# Altium PCB master.PcbDoc (part 9 of 10) (continued)
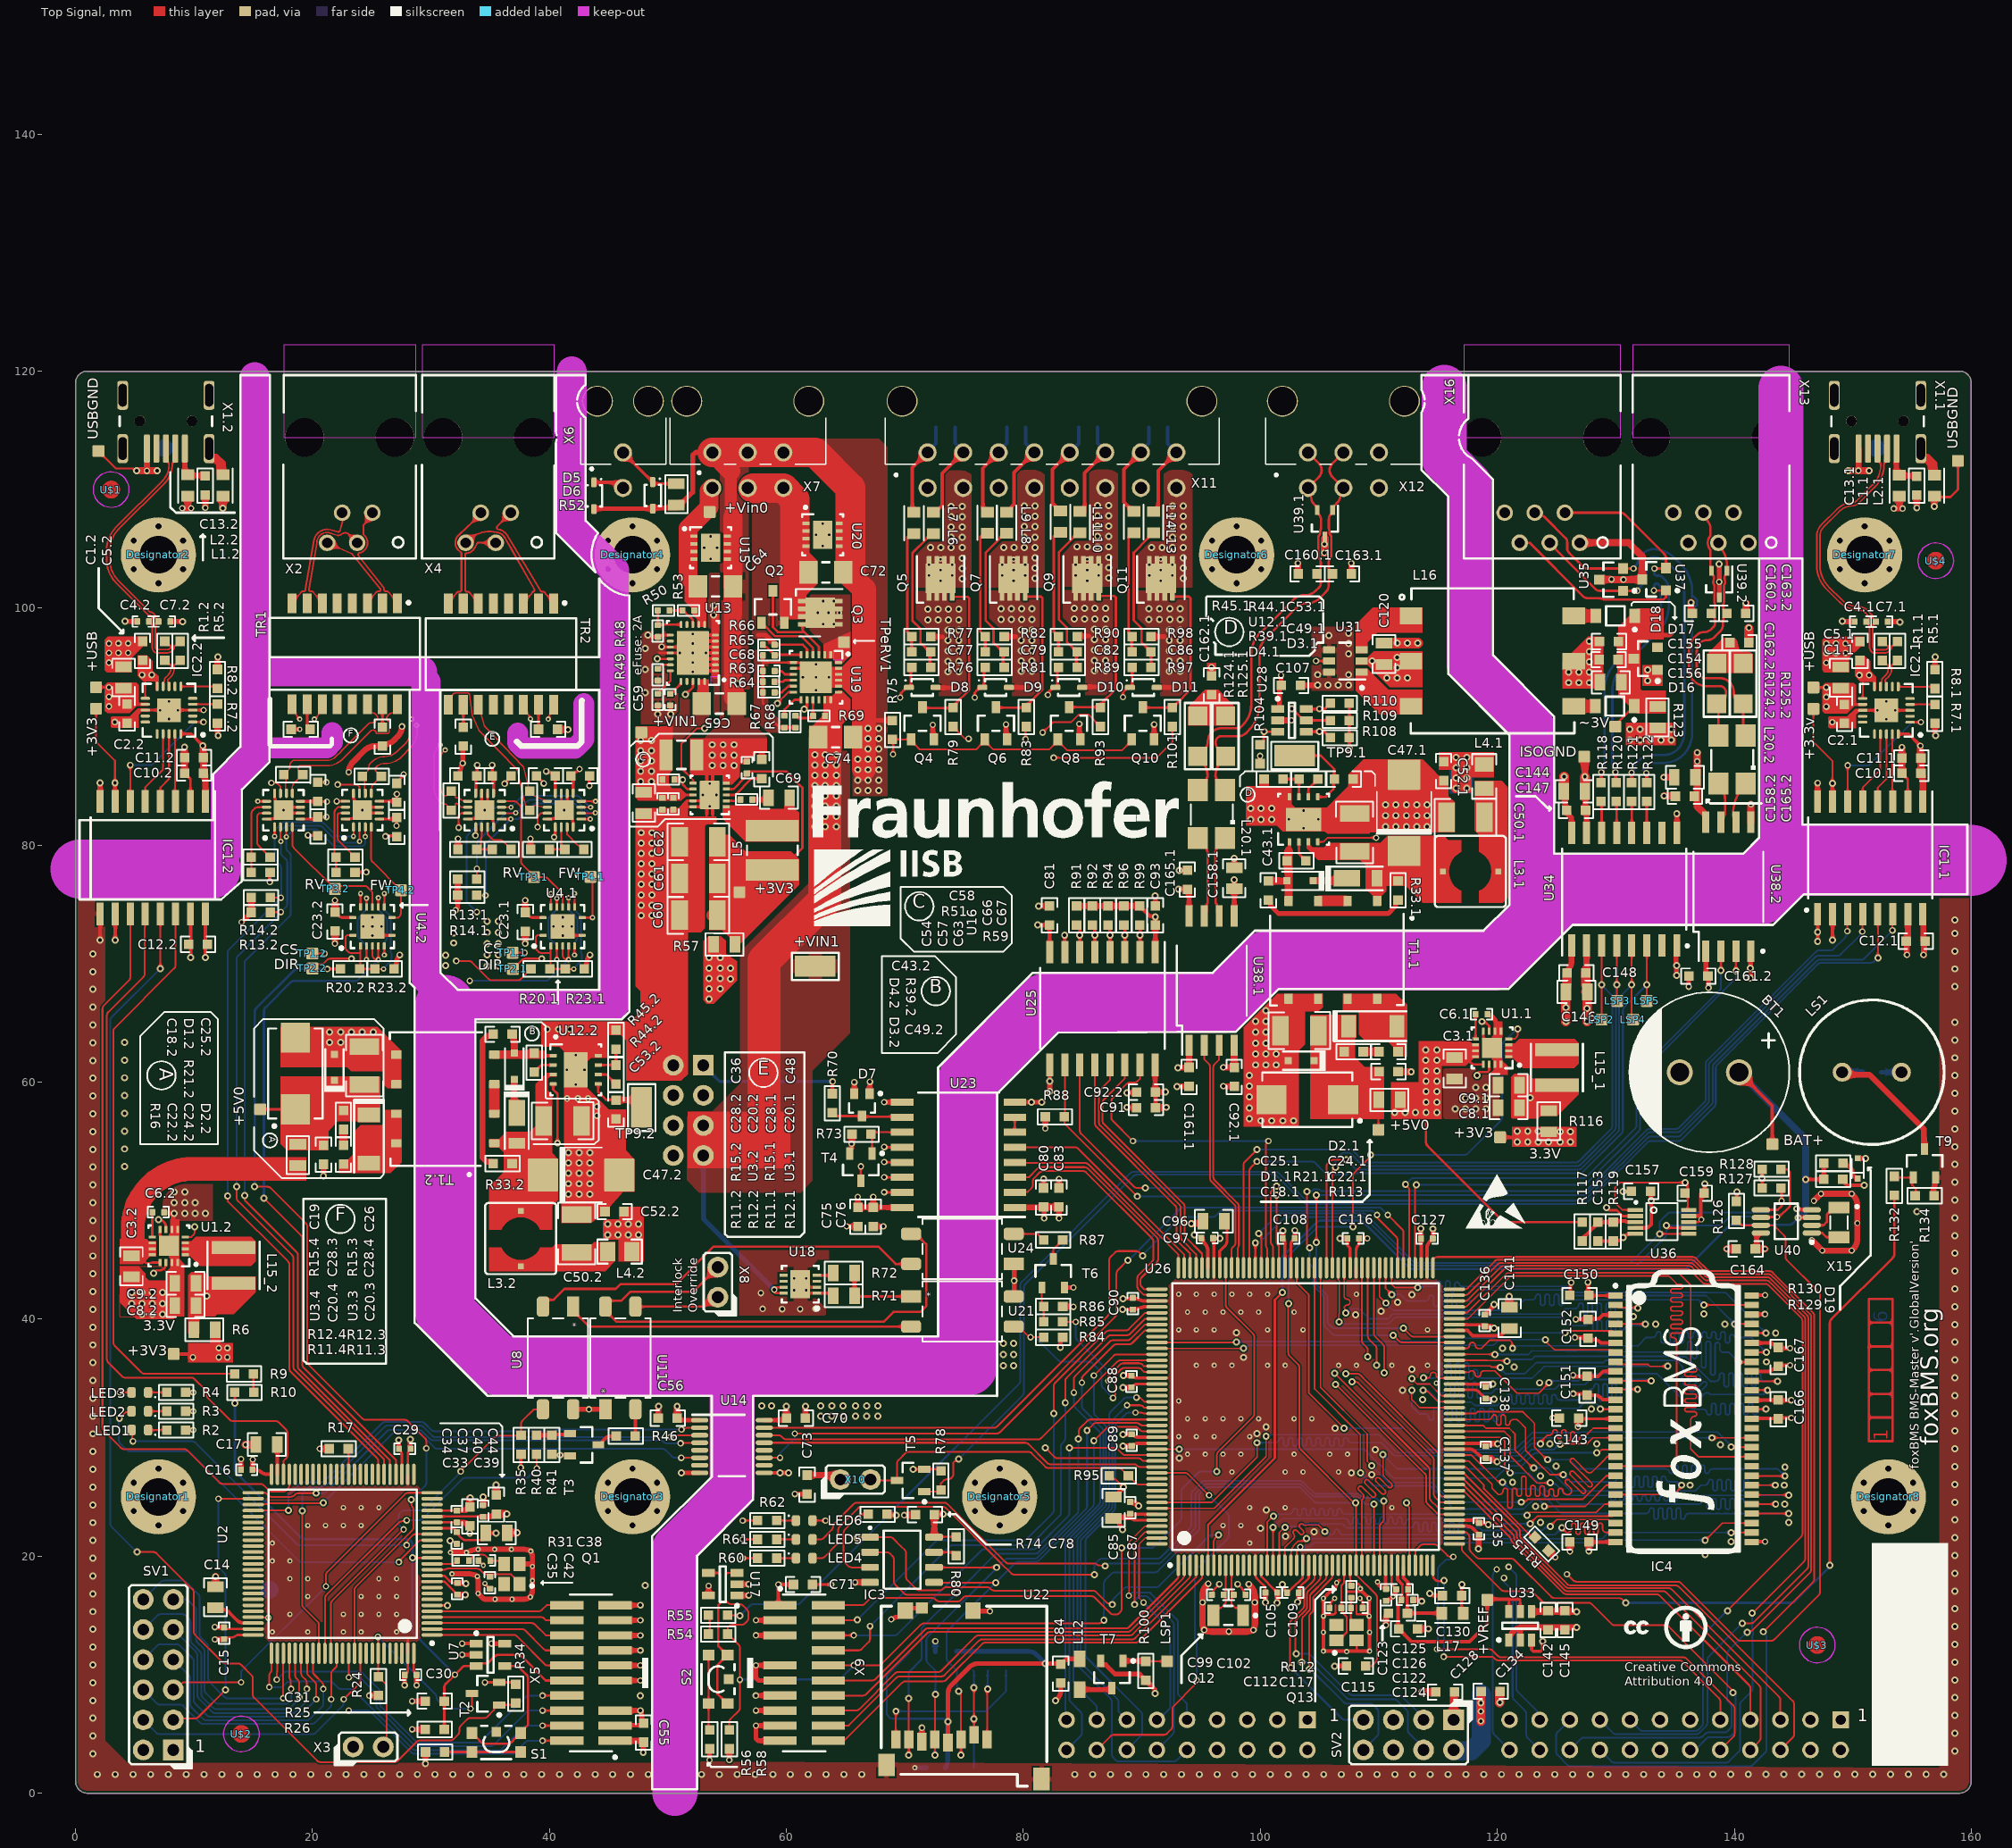
[diagram p0: Top Signal view]
## Nets (pads, with @x,y where several pads share a name; then routed paths per layer and width w, separated by ;. In a path a pad name is that pad's centre, name@x,y a point inside that pad or via, vN(x,y) a via of type N, cw(c..) or ccw(c..) an arc to the next point about the centre after c; other vN are vias at no path point) (continued)
OUT_4_N: R15.4.1 TR1.16 U3.4.9 | length 14.7
  Top Signal w0.102: U3.4.9@18.3,84.375 18.3,84.944 18.321,85.002 ccw(c18.081,85.088) 18.33,85.035 18.337,85.064 cw(c18.585,85.008) 18.405,85.189 18.811,85.594 ccw(c18.811,85.631) 18.837,85.605 R15.4.1@19.175,85.943 18.849,86.269 cw(c19.029,86.449) 19.031,86.704 21.213,86.704 ccw(c21.213,88.609) 22.56,87.262 24.928,89.63 cw(c25.231,89.326) 24.938,89.64 cw(c25.111,89.452) 25.357,89.517 ccw(c25.503,89.557) 25.503,89.406 26.303,89.406 ccw(c26.303,89.557) 26.454,89.557 26.454,90.357 ccw(c26.303,90.357) 26.38,90.487 cw(c26.511,90.706) 26.368,90.917 ccw(c26.283,91.042) 26.422,90.983 cw(c26.655,90.88) 26.641,91.134 ccw(c26.611,91.695) 27.173,91.694 TR1.16@27.173,91.877
OUT_4_P: R15.4.2 TR1.14 U3.4.10 | length 13.3
  Top Signal w0.102: U3.4.10@17.8,84.375 ccw(c17.548,84.336) 17.727,84.518 17.727,85.122 cw(c17.982,85.122) 17.734,85.177 17.752,85.26 ccw(c17.503,85.315) 17.758,85.316 17.758,85.501 ccw(c17.133,85.501) R15.4.2@17.575,85.943 17.924,86.292 ccw(c17.924,86.329) 17.95,86.303 ccw(c17.616,86.638) 18.089,86.638 cw(c18.698,86.638) 18.267,87.069 18.282,87.084 cw(c18.463,86.903) 18.463,87.158 21.213,87.158 ccw(c21.213,88.209) 21.956,87.466 22.418,87.928 ccw(c21.675,88.671) 22.456,87.968 24.691,90.203 cw(c24.994,89.899) 24.994,90.328 ccw(c24.994,90.758) 25.298,90.454 25.417,90.573 ccw(c25.237,90.754) 25.417,90.935 cw(c25.523,91.042) 25.384,90.983 ccw(c25.151,90.88) 25.229,91.122 25.195,91.133 cw(c25.195,91.695) 24.633,91.695 TR1.14@24.633,91.877
PIEZO_MCU_0_PWM: R132.2 U26.47 | length 69.8
  Top Signal w0.15: U26.47@116.372,22.034 117.374,22.034 117.566,21.842 117.591,21.796 cw(c117.263,21.614) 117.638,21.614 117.638,20.654 ccw(c118.013,20.654) 117.748,20.388 118.234,19.902 ccw(c118.499,20.168) 118.499,19.793 121.173,19.793 cw(c121.173,19.418) 121.438,19.683 124.552,16.569 ccw(c124.817,16.834) 124.817,16.459 130.274,16.459 cw(c130.274,16.084) 130.539,16.349 v1(130.824,16.064)
  Top Signal w0.2: v1(148.064,19.225) 148.064,39.668 cw(c148.564,39.668) 148.211,40.021 153.364,45.175 ccw(c153.01,45.528) 153.51,45.528 R132.2@153.51,50.45
  Bottom Signal w0.2: v1(130.824,16.064) 144.777,16.064 ccw(c144.777,16.564) 145.131,16.211 v1@148.242,19.322
REV_0_EXT_N: TR1.6 X2.2 | length 10
  Top Signal w0.14: TR1.6@20.823,100.407 20.066,101.348 ccw(c19.933,101.242) 19.933,101.412 19.839,101.412 cw(c19.839,101.552) 19.701,101.576 20.367,105.449 cw(c21.234,105.512) 21.531,106.329 21.826,106.223 22.07,106.155 ccw(c22.186,106.571) 22.41,106.202 ccw(c22.186,106.571) 22.425,106.211 cw(c22.773,105.863) 22.772,106.355 cw(c22.773,105.975) 23.042,106.244 23.043,106.243 X2.2@23.774,105.512
REV_0_EXT_P: TR1.8 X2.3 | length 10.2
  Top Signal w0.14: TR1.8@18.283,100.407 19.041,101.349 cw(c19.173,101.242) 19.173,101.412 19.267,101.412 ccw(c19.267,101.552) 19.407,101.552 cw(c19.839,101.552) 19.413,101.625 20.114,105.704 cw(c21.234,105.512) 21.542,106.606 22.148,106.436 ccw(c22.186,106.571) 22.321,106.535 22.524,107.297 ccw(c22.39,107.334) 22.529,107.334 22.529,107.992 ccw(c22.444,107.992) X2.3@22.504,108.052
REV_1_EXT_N: TR1.1 X2.1 | length 9.7
  Top Signal w0.14: X2.1@25.044,108.052 25.044,107.819 cw(c24.905,107.819) 25.003,107.72 24.342,107.059 ccw(c24.44,106.959) 24.3,106.959 24.3,106.271 ccw(c24.44,106.271) 24.348,106.166 cw(c23.774,105.512) 23.961,104.662 ccw(c23.991,104.526) 23.882,104.439 25.95,101.82 cw(c25.611,101.552) 26.042,101.585 26.045,101.541 ccw(c26.185,101.552) 26.185,101.412 26.283,101.412 cw(c26.283,101.242) 26.416,101.348 TR1.1@27.173,100.407
REV_1_EXT_P: TR1.3 X2.4 | length 7.8
  Top Signal w0.14: X2.4@21.234,105.512 23.287,104.606 cw(c23.23,104.478) 23.339,104.567 cw(c23.232,104.477) 23.34,104.564 25.719,101.641 ; TR1.3@24.633,100.407 25.391,101.349 cw(c25.523,101.242) 25.523,101.412 25.611,101.412 ccw(c25.611,101.552) 25.719,101.641
RS485_DE: LSP4.1 U26.107 U34.5 | length 54.2
  Top Signal w0.15: U34.5@131.341,71.533 v1(131.341,68.212) 131.341,65.539 ccw(c131.716,65.539) LSP4.1@131.45,65.275
  Top Signal w0.152: U26.107@105.573,44.334 105.573,52.873 cw(c105.953,52.873) 105.684,53.143 105.869,53.327 cw(c106.137,53.058) 106.137,53.438 v1(107.256,53.438)
  Bottom Signal w0.15: 130.283,64.25 130.283,66.999 cw(c130.658,66.999) 130.393,67.264 v1(131.341,68.212)
  Bottom Signal w0.152: v1(107.256,53.438) 107.949,52.745 ccw(c108.218,53.014) 108.218,52.634 126.852,52.634 ccw(c126.852,53.014) 127.12,52.745 130.172,55.797 ccw(c129.903,56.066) 130.283,56.066 130.283,64.25
RS485_MCU_0_NRE: LSP3.1 U26.106 U34.4 | length 51.7
  Top Signal w0.15: U26.106@106.072,44.334 106.072,46.082 ccw(c105.697,46.082) 106.072,46.094 106.071,46.145 cw(c106.446,46.157) 106.071,46.157 106.071,52.524 v1(106.358,52.811) ; U34.4@130.071,71.533 v1(130.071,68.212) 130.071,67.043 ccw(c130.446,67.043) LSP3.1@130.125,66.85
  Bottom Signal w0.15: v1(106.358,52.811) 106.358,53.309 cw(c106.733,53.309) 106.468,53.574 106.848,53.954 cw(c107.113,53.689) 107.113,54.064 107.365,54.064 cw(c107.365,53.689) 107.631,53.954 108.55,53.034 ccw(c108.815,53.3) 108.815,52.925 126.733,52.925 ccw(c126.733,53.3) 126.998,53.034 129.882,55.919 ccw(c129.617,56.184) 129.992,56.184 129.992,67.981 cw(c130.367,67.981) 130.065,68.204 v1(130.071,68.212)
RS485_MCU_0_RX: LSP2.1 U26.121 U34.3 | length 60.7
  Top Signal w0.152: U26.121@98.573,44.335 ccw(c98.201,44.419) 98.582,44.421 98.582,53.024 cw(c98.963,53.024) 98.694,53.293 v1(99.717,54.316) ; LSP2.1@128.801,65.275 v1(128.801,68.212) U34.3@128.801,71.533
  Bottom Signal w0.152: v1(99.717,54.316) 107.557,54.316 cw(c107.557,53.935) 107.829,54.203 108.703,53.329 ccw(c108.972,53.598) 108.972,53.217 126.609,53.217 ccw(c126.609,53.598) 126.879,53.329 129.588,56.038 ccw(c129.319,56.308) 129.7,56.308 129.7,67.148 ccw(c129.319,67.148) 129.586,67.419 128.843,68.163 cw(c129.112,68.432) v1(128.801,68.212)
RS485_MCU_0_TX: LSP5.1 U26.120 U34.6 | length 59.9
  Top Signal w0.15: 132.611,69.228 U34.6@132.611,71.533
  Top Signal w0.152: U26.120@99.072,44.334 99.072,52.507 cw(c99.452,52.507) 99.184,52.776 v1(99.723,53.315) ; LSP5.1@132.611,66.85 132.611,69.228
  Bottom Signal w0.152: v1(99.723,53.315) 104.338,53.315 cw(c104.338,52.935) 104.606,53.204 105.506,52.304 ccw(c105.774,52.574) 105.774,52.194 107.154,52.194 ccw(c107.154,52.574) 107.319,52.231 107.435,52.287 cw(c107.6,51.945) 107.6,52.325 126.979,52.325 ccw(c126.979,52.705) 127.248,52.436 130.481,55.669 ccw(c130.212,55.938) 130.592,55.938 130.592,66.043 cw(c130.972,66.043) 130.704,66.312 v1(132.611,68.22)
RS485_YZ_N: R121.1 U35.1 X16.3 | length 35.7
  Top Signal w0.2: X16.3@124.426,105.512 ccw(c124.893,105.692) 124.532,105.345 124.535,105.342 128.272,101.606 ccw(c128.624,101.96) 128.624,101.46 v2@131.79,101.46 ; R121.1@131.324,85.284 v2(131.324,86.128)
  Bottom Signal w0.2: v2(131.324,86.128) 131.324,86.131 131.477,86.283 ccw(c131.144,86.616) 131.614,86.616 cw(c132.085,86.616) 131.752,86.949 131.871,87.067 cw(c133.191,85.747) 133.191,87.614 134.082,87.614 ccw(c134.082,89.185) 135.193,88.074 ccw(c133.788,89.479) 135.775,89.479 135.775,101.398 ccw(c133.235,101.398) 135.031,103.194 134.455,103.77 ccw(c133.162,102.478) 133.162,104.306 ccw(c133.162,103.746) 132.767,104.142 132.65,104.025 132.65,103.527 cw(c129.748,103.527) v2(131.8,101.475)
RS485_YZ_P: R122.1 U35.2 X16.4 | length 38
  Top Signal w0.2: X16.4@123.156,108.052 123.24,107.968 ccw(c123.593,108.322) 123.593,107.822 123.641,107.822 cw(c123.641,107.322) 123.996,107.675 cw(c123.643,107.32) 123.998,107.673 125.752,105.918 cw(c125.4,105.563) 125.9,105.563 125.9,105.032 ccw(c126.4,105.032) 126.046,104.679 127.239,103.486 ccw(c127.592,103.84) 127.592,103.34 v2(131.489,103.34) ; R122.1@132.611,85.284 v2@132.611,86.051
  Bottom Signal w0.2: v2(131.489,103.34) cw(c131.631,103.34) 131.53,103.441 131.72,103.63 ccw(c131.367,103.983) 131.866,103.983 cw(c132.364,103.983) 132.012,104.335 132.294,104.617 cw(c133.161,103.75) 133.161,104.976 133.165,104.976 cw(c133.165,102.485) 134.927,104.247 135.507,103.667 cw(c133.239,101.4) 136.446,101.4 136.446,100.973 136.558,100.973 136.852,100.679 136.852,100.263 136.558,99.969 136.446,99.969 136.446,89.475 cw(c133.797,89.475) 135.67,87.603 135.666,87.599 cw(c134.083,89.182) 134.083,86.943 133.193,86.943 ccw(c133.193,85.742) 132.344,86.591 ccw(c132.485,86.45) 132.285,86.45 ccw(c132.485,86.45) 132.343,86.309 ; 132.344,86.309 132.575,86.077 v2(132.575,86.075)
RTN_EXT_0: C59.2 R47.1 R48.1 R49.1 U13.1 U13.2 U13.3 U13.4 U13.5 U13.6 U13.7 U13.13 U13.15 U13.16 U13.25 | length 28.5
  Top Signal w0.2: v1@48.324,97.697 v1(48.305,97.717) 48.413,97.717 48.557,97.572 R48.1@49.151,97.572 ; R48.1@49.026,97.697 R48.1@49.151,97.572 ; R49.1@49.146,93.881 R49.1@49.151,93.887 ; v1(49.151,91.062) R47.1@49.151,91.781 ; 49.251,96.221 49.256,96.217 U13.16@50.202,96.217 v5(52.102,96.217) ; U13.13@50.202,97.717 49.295,97.717 R48.1@49.151,97.572 ; v1(50.215,91.062) 50.215,91.677 C59.2@50.319,91.781 ; U13.1@54.002,94.717 53.352,94.717 52.102,95.967 v5(52.102,96.217) ; U13.2@54.002,95.217 53.102,95.217 U13.25@52.602,95.717 ; U13.3@54.002,95.717 U13.25@52.602,95.717 ; U13.4@54.002,96.217 v5(52.102,96.217) ; U13.5@54.002,96.717 U13.25@52.602,96.717 ; U13.6@54.002,97.217 53.102,97.217 U13.25@52.602,96.717 ; U13.7@54.002,97.717 53.352,97.717 52.102,96.467 v5(52.102,96.217) ; v5(52.102,96.217) U13.25@52.602,96.717 ; v5(52.102,96.217) U13.25@52.602,95.717
  Top Signal w0.24: v2@49.493,96.717 U13.25@51.197,96.717
  Top Signal w0.7: 54.002,94.398 U13.1@54.002,94.717 U13.2@54.002,95.217 U13.3@54.002,95.717 U13.4@54.002,96.217 U13.5@54.002,96.717 U13.6@54.002,97.217 U13.7@54.002,97.717 v1@54.002,100.012
  other v1: 48.076,92.881 48.076,94.844 48.076,96.611 53.858,99.43 53.858,100.2
  other v2: 49.466,96.739
  other v5: 52.102,94.617 52.102,95.417 51.002,96.217 53.202,96.217 52.102,97.017 52.102,97.817
SUPPLY_ext: +VIN1.1@62.438,69.775 C74.2 D12.1 D13.1 D14.1 D15.1 R69.2 SV3.5 SV3.7 U18.7 U18.8 U19.17 U19.18 U19.19 X11.9 X11.11 X11.13 X11.15 | length 53.1
  Top Signal w0.2: v2@58.975,42.665 v2(58.975,42.49) 58.975,42.315 59.092,42.198 U18.8@59.761,42.198 ; v2@59.042,42.698 U18.7@59.761,42.698
  Top Signal w0.4: C74.2@62.272,88.705 C74.2@62.679,89.112
  Top Signal w2.8: 58.1,54.125 58.1,70.236 63.237,75.373 C74.2@63.237,88.855
  Bottom Signal w0.4: SV3.7@52.987,53.807 52.987,48.478 v2(58.975,42.49)
  other v1: 62.406,81.556 63.279,81.556 64.197,81.556 62.406,82.429 63.279,82.429 64.197,82.429 62.406,83.303 63.279,83.303 64.197,83.303 62.406,84.176 63.279,84.176 64.197,84.176 62.406,85.012 63.279,85.012 64.197,85.012 62.406,85.885 63.279,85.885 64.197,85.885 62.406,86.759 63.279,86.759 64.197,86.759 62.406,87.632 63.279,87.632 64.197,87.632
TRACECLK_MCU_0: U26.1 X9.12 | length 33.8
  Top Signal w0.152: X9.12@64.535,9.511 67.229,9.511 ccw(c67.229,9.892) 67.499,9.622 71.679,13.803 cw(c71.949,13.533) 71.949,13.914 88.661,13.914 ccw(c88.661,14.295) 88.931,14.026 92.967,18.062 ccw(c92.698,18.332) 93.079,18.332 93.079,18.455 ccw(c92.697,18.455) 93.078,18.457 93.078,19.168 ccw(c92.697,19.166) 93.076,19.206 U26.1@93.073,19.234 U26.1@93.073,19.234 U26.1@93.073,18.522
TRACECLK_MCU_1: U2.1 X5.12 | length 12.2
  Top Signal w0.15: 39.703,10.78 39.71,10.786
  Top Signal w0.152: U2.1@30.293,13.354 36.985,13.354 cw(c36.985,12.973) 37.256,13.24 39.71,10.786 ; 39.703,10.78 X5.12@41.465,10.78
TRACED0_MCU_0: U26.2 X9.14 | length 34.1
  Top Signal w0.15: X9.14@64.535,8.241 66.47,8.241 ccw(c66.47,8.616) 66.735,8.35 71.885,13.501 cw(c72.151,13.235) 72.151,13.61 88.79,13.61 ccw(c88.789,13.985) 89.054,13.72 93.463,18.129 ; 93.463,18.129 ccw(c93.197,18.394) 93.572,18.394 U26.2@93.572,19.234
TRACED0_MCU_1: U2.2 X5.14 | length 11.9
  Top Signal w0.152: U2.2@30.293,13.854 37.671,13.854 cw(c37.671,13.473) 37.943,13.74 39.521,12.161 ccw(c39.791,12.431) 39.598,12.102 39.687,12.05 X5.14@41.465,12.05
TRACED1_MCU_0: U26.3 X9.16 | length 35.1
  Top Signal w0.15: X9.16@64.535,6.971 65.874,6.971 ccw(c65.874,7.346) 66.139,7.08 69.174,10.115 cw(c69.439,9.85) 69.439,10.225 72.82,10.225 ccw(c72.82,10.6) 73.085,10.335 75.961,13.211 cw(c76.226,12.946) 76.226,13.321 89.001,13.321 ccw(c89.001,13.696) 89.266,13.43 93.963,18.127 ccw(c93.698,18.392) 94.073,18.392 U26.3@94.073,19.234
TRACED1_MCU_1: U2.3 X5.16 | length 11.6
  Top Signal w0.152: U2.3@30.293,14.354 38.502,14.354 cw(c38.502,13.973) 38.774,14.24 39.694,13.32 X5.16@41.465,13.32
TRACED2_MCU_0: U26.4 X9.18 | length 37.2
  Top Signal w0.15: X9.18@63.535,5.701 65.247,5.701 cw(c65.562,5.496) 65.297,5.762 69.286,9.751 cw(c69.551,9.486) 69.551,9.861 73.097,9.861 ccw(c73.097,10.236) 73.362,9.97 76.264,12.872 cw(c76.529,12.607) 76.529,12.982 89.179,12.982 ccw(c89.178,13.357) 89.443,13.092 94.572,18.221 U26.4@94.572,19.234
TRACED2_MCU_1: U2.4 X5.18 | length 11.3
  Top Signal w0.152: U2.4@30.293,14.854 39.289,14.854 cw(c39.289,14.473) 39.558,14.742 39.71,14.59 X5.18@41.465,14.59
TRACED3_MCU_0: U26.5 X9.20 | length 38.2
  Top Signal w0.15: X9.20@63.535,4.431 64.878,4.431 69.783,9.335 cw(c70.048,9.07) 70.048,9.445 73.215,9.445 ccw(c73.215,9.82) 73.48,9.555 76.515,12.59 cw(c76.78,12.325) 76.78,12.7 89.458,12.7 ccw(c89.456,13.075) 89.721,12.81 95.073,18.161 U26.5@95.073,19.234
TRACED3_MCU_1: U2.5 X5.20 | length 11.4
  Top Signal w0.152: U2.5@30.293,15.354 31.166,15.354 ccw(c31.215,15.732) 31.215,15.351 31.54,15.351 ccw(c31.54,15.732) 31.555,15.351 31.619,15.353 cw(c31.635,14.973) 31.636,15.354 39.096,15.354 ccw(c39.096,15.735) 39.365,15.465 39.76,15.86 X5.20@41.465,15.86
U_1_N: IC2.1.9 R1.1.2 | length 2.7
  Top Signal w0.14: IC2.1.9@152.335,93.375 152.335,93.587 cw(c152.534,93.587) 152.393,93.728 ccw(c152.253,93.869) 152.452,93.869 152.452,93.92 cw(c152.715,93.92) 152.529,94.106 152.78,94.357 ccw(c152.267,94.87) 152.992,94.87 152.992,95.112 ccw(c152.853,95.112) 152.951,95.211 152.947,95.216 ccw(c152.859,95.128) 152.859,95.252 cw(c152.859,95.376) 152.772,95.288 R1.1.2@152.478,95.582
U_1_P: IC2.1.8 R5.1.2 | length 2.7
  Top Signal w0.14: IC2.1.8@152.835,93.375 152.835,93.587 ccw(c152.636,93.587) 152.777,93.728 152.765,93.74 cw(c152.878,93.853) 152.718,93.853 cw(c152.878,93.853) 152.765,93.965 153.008,94.208 ccw(c152.401,94.815) 153.259,94.815 153.259,95.112 cw(c153.399,95.112) 153.3,95.211 153.304,95.216 cw(c153.392,95.128) 153.392,95.252 ccw(c153.392,95.376) 153.48,95.288 R5.1.2@153.773,95.582
U_2_N: IC2.2.9 R1.2.2 | length 2.7
  Top Signal w0.14: IC2.2.9@7.389,93.391 7.389,93.604 cw(c7.588,93.604) 7.447,93.745 ccw(c7.307,93.885) 7.506,93.885 7.506,93.936 cw(c7.77,93.936) 7.583,94.123 7.834,94.374 ccw(c7.322,94.886) 8.046,94.886 8.046,95.129 ccw(c7.907,95.129) 8.005,95.227 8.001,95.232 ccw(c7.913,95.145) 7.913,95.268 cw(c7.913,95.392) 7.826,95.305 R1.2.2@7.532,95.598
U_2_P: IC2.2.8 R5.2.2 | length 2.7
  Top Signal w0.14: IC2.2.8@7.831,93.744 cw(c7.69,93.604) 7.889,93.604 IC2.2.8@7.889,93.391 ; IC2.2.8@7.831,93.745 7.819,93.756 cw(c7.932,93.869) 7.772,93.869 cw(c7.932,93.869) 7.819,93.982 8.062,94.224 ccw(c7.455,94.831) 8.313,94.831 8.313,95.129 cw(c8.453,95.129) 8.354,95.227 8.359,95.232 cw(c8.446,95.145) 8.446,95.268 ccw(c8.446,95.392) 8.534,95.305 R5.2.2@8.828,95.598
USART_MCU_1_RX: SV1.6 U2.87 | length 22.2
  Top Signal w0.152: v4(21.575,7.925) 21.575,10.067 cw(c21.956,10.067) 21.687,10.337 22.043,10.693 U2.87@22.043,11.804
  Bottom Signal w0.152: SV1.6@5.715,8.73 6.865,7.58 ccw(c7.135,7.849) 7.135,7.468 8.834,7.468 cw(c8.834,7.087) 9.105,7.355 10.506,5.954 ccw(c10.776,6.223) 10.776,5.842 19.934,5.842 ccw(c19.934,6.223) 20.204,5.954 21.463,7.213 ccw(c21.194,7.483) 21.575,7.483 v4(21.575,7.925)
USART_MCU_1_TX: SV1.5 U2.25 | length 29.9
  Top Signal w0.152: SV1.5@8.255,8.73 8.287,8.73 ccw(c8.287,9.111) 8.556,8.842 9.067,9.353 v4(13.97,9.353) ; v4(21.141,17.459) 21.141,18.403 cw(c21.522,18.403) 21.253,18.672 27.823,25.242 cw(c28.092,24.973) 28.092,25.354 U2.25@30.092,25.354
  Bottom Signal w0.152: v4(13.97,9.353) 13.97,10.13 cw(c14.351,10.13) 14.082,10.399 v4(21.141,17.459)
USB_+3.3V_1: +3.3v.1 C5.1.1 C10.1.1 C11.1.2 IC1.1.1 IC1.1.7 IC2.1.10 IC2.1.11 IC2.1.20 | length 17.4
  Top Signal w0.152: +3.3v.1@146.681,91.5 146.681,88.698 148.275,87.105 v1(148.275,85.224) ; IC2.1.11@150.835,92.375 150.835,94.253 150.844,94.262
  Top Signal w0.24: IC2.1.20@153.835,89.375 154.705,89.375 v2(155.696,88.384)
  Top Signal w0.3: IC1.1.7@148.275,83.697 v1(148.275,85.224)
  Top Signal w0.5: v2(155.696,88.384) 155.696,87.409 C11.1.2@155.746,87.359 C10.1.1@155.746,86.059 155.915,85.89 IC1.1.1@155.915,83.677
  other v2: 150.564,94.349 151.373,94.349
USB_+3.3V_2: +3V3.1@1.735,91.516 C5.2.1 C10.2.1 C11.2.2 IC1.2.1 IC1.2.7 IC2.2.10 IC2.2.11 IC2.2.20 | length 17.5
  Top Signal w0.152: +3V3.1@1.735,91.516 1.735,88.715 3.329,87.121 v1(3.329,85.241) ; IC2.2.11@5.889,92.391 5.889,94.269 5.898,94.278
  Top Signal w0.24: IC2.2.20@8.889,89.391 9.759,89.391 v2(10.75,88.4)
  Top Signal w0.3: v1(3.329,85.241) 3.329,83.713 IC1.2.7@3.349,83.693
  Top Signal w0.5: v2(10.75,88.4) 10.75,87.425 C11.2.2@10.8,87.375 C10.2.1@10.8,86.075 10.969,85.906 IC1.2.1@10.969,83.693
  other v2: 5.618,94.366 6.427,94.366
USB_+VBUS_1: +USB.1@146.681,93.309 C1.1.1 C2.1.1 IC2.1.12 L1.1.2 | length 2.9
  Top Signal w0.2: +USB.1@146.681,93.309 v2(147.771,93.309)
  Top Signal w0.5: v2(153.457,108.409) 153.908,108.409 ; L1.1.2@153.919,109.434 153.919,108.42 153.908,108.409 ; v2(154.207,108.409) 153.908,108.409
  other v2: 147.771,91.69 147.771,92.5
USB_+VBUS_2: +USB.1@1.735,93.325 C1.2.1 C2.2.1 IC2.2.12 L1.2.2 | length 2.9
  Top Signal w0.2: +USB.1@1.735,93.325 v2(2.825,93.325)
  Top Signal w0.5: v2(9.012,108.425) 9.462,108.425 ; L1.2.2@9.473,109.45 9.473,108.436 9.462,108.425 ; v2(9.761,108.425) 9.462,108.425
  other v2: 2.825,91.707 2.825,92.516
USB_GND_1: C1.1.2 C2.1.2 C4.1.1 C5.1.2 C7.1.1 C10.1.2 C11.1.1 C13.1.2 IC1.1.2 IC1.1.8 IC2.1.3 IC2.1.13 IC2.1.21 L2.1.1 R7.1.2 R8.1.2 USBGND.1@158.875,112.425 X1.1.5 | length 25
  Top Signal w0.2: C10.1.2@154.146,86.059 154.645,85.56 IC1.1.2@154.645,83.677 ; L2.1.1@156.882,109.434 156.941,109.375 158.225,109.375 158.875,110.025 USBGND.1@158.875,112.425
  Top Signal w0.24: IC2.1.13@150.835,91.375 IC2.1.21@152.835,91.375 IC2.1.3@154.835,91.375
  Top Signal w0.4: IC1.1.8@147.025,83.677 v1(147.025,85.237) ; v1@149.134,98.859 C4.1.1@150.146,98.859 ; C7.1.1@152.946,98.859 v1@153.958,98.859 ; R7.1.2@156.923,90.257 156.923,89.292 v1@157.038,89.178 ; R8.1.2@156.923,94.832 156.923,95.844 v1(156.949,95.87)
  Top Signal w0.5: v2@150.487,111.582 X1.1.5@150.487,113.464 ; C10.1.2@154.146,86.059 C11.1.1@154.146,87.359 v2(154.146,88.265) ; v2(155.396,108.459) 155.396,108.509 C13.1.2@155.396,109.534 ; v1(156.882,108.591) L2.1.1@156.882,109.434
  Top Signal w0.6: C1.1.2@148.748,95.032 C1.1.2@148.998,95.032 ; v1(149.614,111.582) 150.487,111.582 v1(151.361,111.582)
  other v1: 156.981,89.235 153.984,98.833 149.108,98.884
  other v2: 148.267,90.375 147.771,95.393 147.771,96.202 148.574,96.205 149.383,96.205 147.771,97.011 148.574,97.014 149.383,97.014 150.472,111.607
  other v5: 152.835,90.625 152.085,91.375 153.585,91.375 152.835,92.125
USB_GND_2: C1.2.2 C2.2.2 C4.2.1 C5.2.2 C7.2.1 C10.2.2 C11.2.1 C13.2.2 IC1.2.2 IC1.2.8 IC2.2.3 IC2.2.13 IC2.2.21 L2.2.1 R7.2.2 R8.2.2 USBGND.1@1.935,113.253 X1.2.5 | length 25.4
  Top Signal w0.152: USBGND.1@1.935,113.253 3.388,111.8 4.812,111.8 5.03,111.582 v1(5.152,111.582)
  Top Signal w0.2: C10.2.2@9.2,86.075 9.699,85.576 IC1.2.2@9.699,83.693
  Top Signal w0.24: IC2.2.13@5.889,91.391 IC2.2.21@7.889,91.391 IC2.2.3@9.889,91.391 v2(10.812,91.391)
  Top Signal w0.4: IC1.2.8@2.079,83.693 v1(2.079,85.253) ; v1@4.188,98.875 C4.2.1@5.2,98.875 ; C7.2.1@8,98.875 v1@9.012,98.875 ; R7.2.2@11.978,90.274 11.978,89.309 v1@12.092,89.194 ; R8.2.2@11.978,94.848 11.978,95.861 v1(12.003,95.886)
  Top Signal w0.5: v2(6.025,111.582) X1.2.5@6.025,113.464 ; C10.2.2@9.2,86.075 C11.2.1@9.2,87.375 v2(9.2,88.281) ; v2(10.95,108.475) 10.95,108.525 C13.2.2@10.95,109.55
  Top Signal w0.6: C1.2.2@3.803,95.048 C1.2.2@4.053,95.048 ; v1(5.152,111.582) v2(6.025,111.582) v1(6.898,111.582) ; v1(12.436,108.434) L2.2.1@12.436,109.45
  other v1: 12.035,89.251 9.038,98.849 4.162,98.901
  other v2: 3.321,90.391 2.825,95.409 2.825,96.218 3.628,96.222 4.437,96.222 2.825,97.027 3.628,97.031 4.437,97.031
  other v5: 7.889,90.641 7.139,91.391 8.639,91.391 7.889,92.141
USB_VBUS_1: C13.1.1 L1.1.1 X1.1.1 | length 3.7
  Top Signal w0.4: L1.1.1@153.671,111.221 X1.1.1@153.671,113.448 ; L1.1.1@153.919,111.221 153.963,111.177 155.352,111.177 C13.1.1@155.396,111.134
USB_VBUS_2: C13.2.1 L1.2.1 X1.2.1 | length 3.7
  Top Signal w0.4: L1.2.1@9.225,111.238 X1.2.1@9.225,113.464 ; L1.2.1@9.473,111.238 9.517,111.194 10.906,111.194 C13.2.1@10.95,111.15
VBU_MON: C157.2 R129.1 U36.4 | length 25.1
  Top Signal w0.3: U36.4@131.626,47.715 132.695,47.715 132.969,47.989 v1(132.969,50.025) C157.2@132.969,50.417 ; R129.1@148.93,51.934 149.134,51.73 149.134,51.695 149.537,51.292 v1(150.964,51.292)
  Inner Signal w0.3: v1(132.969,50.025) 142.277,50.025 143.255,51.003 146.595,51.003 147.15,51.558 148.883,51.558 149.15,51.292 v1(150.964,51.292)
  Bottom Signal w0.3: v1@150.789,51.292 v1(150.964,51.292)
VIN_MON: C153.2 R117.1 R119.2 U36.3 | length 5.3
  Top Signal w0.3: R117.1@127.167,46.59 127.167,46.795 128.562,48.19 129.73,48.19 129.811,48.271 130.818,48.271 130.874,48.215 U36.3@131.626,48.215
ZHS_0: U15.9 U15.V
ZHS_2: U20.9 U20.V
ZY_N: R121.2 U34.12 | length 2.6
  Top Signal w0.2: U34.12@131.341,81.033 R121.2@131.341,83.667
ZY_P: R122.2 U34.11 | length 2.7
  Top Signal w0.2: U34.11@132.611,81.033 R122.2@132.611,83.684
pads on no net: D18.2 Designator1.0 Designator2.0 Designator3.0 Designator4.0 Designator5.0 Designator6.0 Designator7.0 Designator8.0 IC2.1.2 IC2.1.5 IC2.1.7 IC2.1.14 IC2.1.15 IC2.1.16 IC2.2.2 IC2.2.5 IC2.2.7 IC2.2.14 IC2.2.15 IC2.2.16 IC4.36 IC4.40 JP1.11 JP1.13 JP1.14 JP1.16 JP1.23 JP2.5 JP2.6 JP2.7 JP2.8 Q1.4 Q3. Q5. Q7. Q9. Q11. Q13.4 S1.5 S2.5 TR1.2 TR1.4 TR1.5 TR1.7 TR1.12 TR1.13 TR2.2 TR2.4 TR2.5 TR2.7 TR2.12 TR2.13 U2.7 U2.8 U2.9 U2.15 U2.16 U2.23 U2.24 U2.26 U2.33 U2.34 U2.35 U2.36 U2.38 U2.39 U2.40 U2.41 U2.42 U2.43 U2.44 U2.45 U2.46 U2.55 U2.56 U2.57 U2.58 U2.59 U2.60 U2.61 U2.62 U2.63 U2.64 U2.65 U2.66 U2.67 U2.68 U2.88 U2.92 U2.93 U2.95 U2.96 U2.97 U2.98 U4.1.15@40.555,72.575 U4.1.15@40.555,73.695 U4.1.15@41.675,72.575 U4.1.15@41.675,73.695 U4.2.15@24.496,72.575 U4.2.15@24.496,73.695 U4.2.15@25.616,72.575 U4.2.15@25.616,73.695 U12.1.9@102.895,82.172 U12.1.9@104.405,82.172 U12.2.9@42.214,60.289 U12.2.9@42.214,61.799 U13. U13.11 U13.21 U14.5 U14.7 U14.10 U14.12 U16.11@53.271,82.706 U16.11@53.271,85.766 U16.11@53.521,83.606 U16.11@53.521,84.866 U16.11@53.771,82.706 U16.11@53.771,85.766 U18.3 U18.5 U18.6 U26.12 U26.13 U26.28 U26.43 U26.46 U26.110 U26.151 U26.176 U34.7 U34.10 X1.1.4 X1.1.X X1.1.Y X1.2.4 X1.2.X X1.2.Y X2.MH X4.MH X6.MH1 X7.MH1 X11.MH1 X12.MH1 X13.1 X13.6 X13.MH X16.MH
copper on no net: | length 1.1
  Top Signal w0.5: 150.218,106.749 151.332,106.749

## Polygon pours and split planes (outlines as drawn)
no net on Top Overlay "Top Isolation Zones" (none, remove dead copper): 72 vertices, not listed, extent 0.076,0 160,120
no net on Top Overlay "Polygon_1_NoNet" (solid): 24 vertices, not listed, extent 62.337,76.48 66.48,79.636
no net on Top Overlay "Polygon_2_NoNet" (solid): 50 vertices, not listed, extent 62.335,75.846 68.172,79.637
no net on Top Overlay "Polygon_3_NoNet" (solid): 31 vertices, not listed, extent 62.336,75.083 68.745,79.635
no net on Top Overlay "Polygon_4_NoNet" (solid): 35 vertices, not listed, extent 62.339,74.298 68.745,77.774
no net on Top Overlay "Polygon_5_NoNet" (solid): 35 vertices, not listed, extent 62.337,73.707 68.75,76.067
no net on Top Overlay "Polygon_6_NoNet" (solid): 68.753,73.181 68.743,74.989 68.165,74.958 67.31,74.873 66.221,74.717 65.611,74.602 64.966,74.457 64.091,74.222 63.337,73.977 62.632,73.706 62.334,73.577 62.334,73.176
no net on Top Overlay "Polygon_7_NoNet" (solid): 56 vertices, not listed, extent 73.3,77.36 74.8,79.541
no net on Top Overlay "Polygon_8_NoNet" (solid): 60 vertices, not listed, extent 71.513,77.324 72.887,79.571
no net on Top Overlay "Polygon_9_NoNet" (solid): 70.625,79.535 71.065,79.535 71.065,77.359 70.626,77.362
no net on Top Overlay "Polygon_10_NoNet" (solid): 69.645,79.535 70.101,79.535 70.1,77.359 69.644,77.361
no net on Top Overlay "Polygon_11_NoNet" (solid): 25 vertices, not listed, extent 91.189,80.676 93.098,83.949
no net on Top Overlay "Polygon_12_NoNet" (solid): 68 vertices, not listed, extent 87.646,80.596 90.638,83.93
no net on Top Overlay "Polygon_13_NoNet" (solid): 35 vertices, not listed, extent 85.194,80.67 87.438,85.382
no net on Top Overlay "Polygon_14_NoNet" (solid): 75 vertices, not listed, extent 81.679,80.601 85.022,83.951
no net on Top Overlay "Polygon_15_NoNet" (solid): 43 vertices, not listed, extent 78.264,80.672 81.196,85.306
no net on Top Overlay "Polygon_16_NoNet" (solid): 44 vertices, not listed, extent 74.527,80.671 77.452,83.946
no net on Top Overlay "Polygon_17_NoNet" (solid): 41 vertices, not listed, extent 70.777,80.602 73.711,83.874
no net on Top Overlay "Polygon_18_NoNet" (solid): 49 vertices, not listed, extent 67.634,80.624 70.177,83.944
no net on Top Overlay "Polygon_19_NoNet" (solid): 32 vertices, not listed, extent 67.27,80.599 68.739,82.626
no net on Top Overlay "Polygon_20_NoNet" (solid): 23 vertices, not listed, extent 65.197,80.671 67.085,83.949
no net on Top Overlay "Polygon_21_NoNet" (solid): 62.23,84.994 62.23,80.674 63.117,80.672 63.117,82.552 64.569,82.554 64.569,83.258 63.117,83.259 63.119,84.287 64.642,84.288 64.64,84.993
no net on Top Overlay "Polygon_26_NoNet" (solid): 53 vertices, not listed, extent 134.592,29.125 137.221,31.546
no net on Top Overlay (solid): 6.731,-2.565
no net on Top Overlay "Polygon_42_NoNet" (solid): 33 vertices, not listed, extent 135.647,14.636 136.175,15.167
no net on Top Overlay "Polygon_41_NoNet" (solid): 17 vertices, not listed, extent 135.411,12.807 136.411,14.564
no net on Top Overlay "Polygon_40_NoNet" (solid): 133 vertices, not listed, extent 134.092,12.168 137.73,15.807
no net on Top Overlay "Polygon_39_NoNet" (solid): 59 vertices, not listed, extent 131.734,13.413 132.777,14.561
no net on Top Overlay "Polygon_38_NoNet" (solid): 58 vertices, not listed, extent 130.688,13.413 131.732,14.561
no net on Top Overlay "Polygon_29_NoNet" (solid, pour order 45): 151.613,21.107 158.02,21.107 158.02,2.337 151.613,2.337
no net on Top Overlay "Polygon_28_NoNet" (solid, pour order 34): 61 vertices, not listed, extent 133.402,23.9 138.334,26.374
no net on Top Overlay "Polygon_27_NoNet" (solid, pour order 33): 60 vertices, not listed, extent 134.631,26.5 137.221,28.523
no net on Top Overlay "Polygon_25_NoNet" (solid, pour order 23): 69 vertices, not listed, extent 134.014,32.625 137.221,34.336
no net on Top Overlay "Polygon_24_NoNet" (solid, pour order 25): 33 vertices, not listed, extent 134.015,34.75 137.221,37.294
no net on Top Overlay "Polygon_23_NoNet" (solid, pour order 18): 75 vertices, not listed, extent 133.998,37.725 137.221,39.305
no net on Top Overlay "Polygon_22_NoNet" (solid, pour order 42): 103 vertices, not listed, extent 130.842,20.2 140.55,44.175